# Altium PCB GSM-Board.PcbDoc
Units mm, origin at the board's own origin, x right, y up, seen from the top; angles counter-clockwise.
Board outline 40 x 40 mm, 2 copper layers (Top Layer, Bottom Layer), stack 1.571 mm thick; 21 components, 23 nets, 161 pads, 152 vias.
Unrouted connection lines stored in the file: 24.
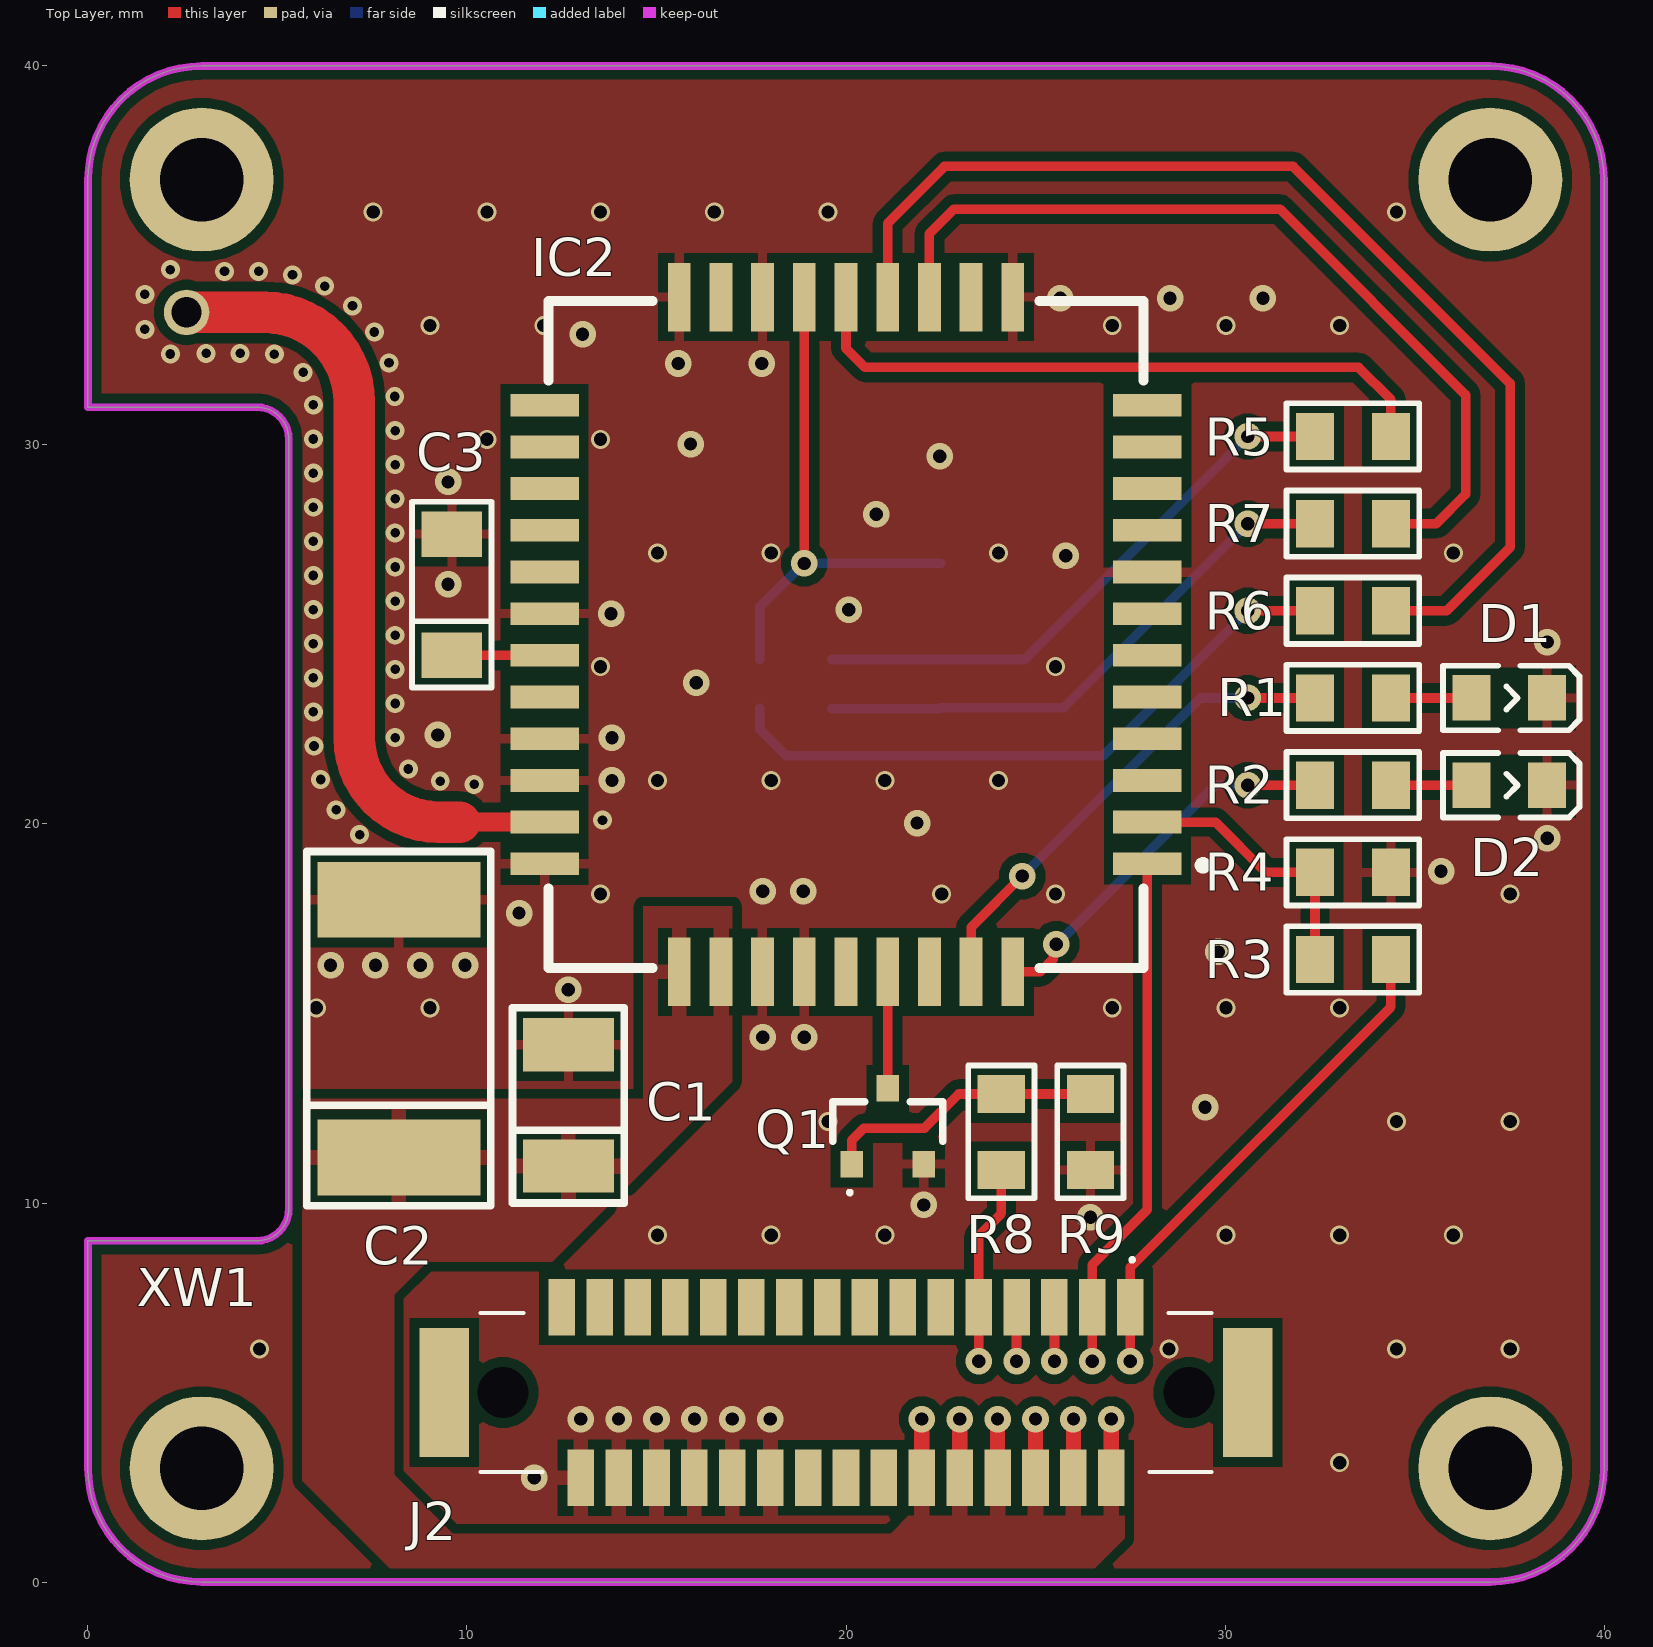
[diagram p0: Top Layer view]
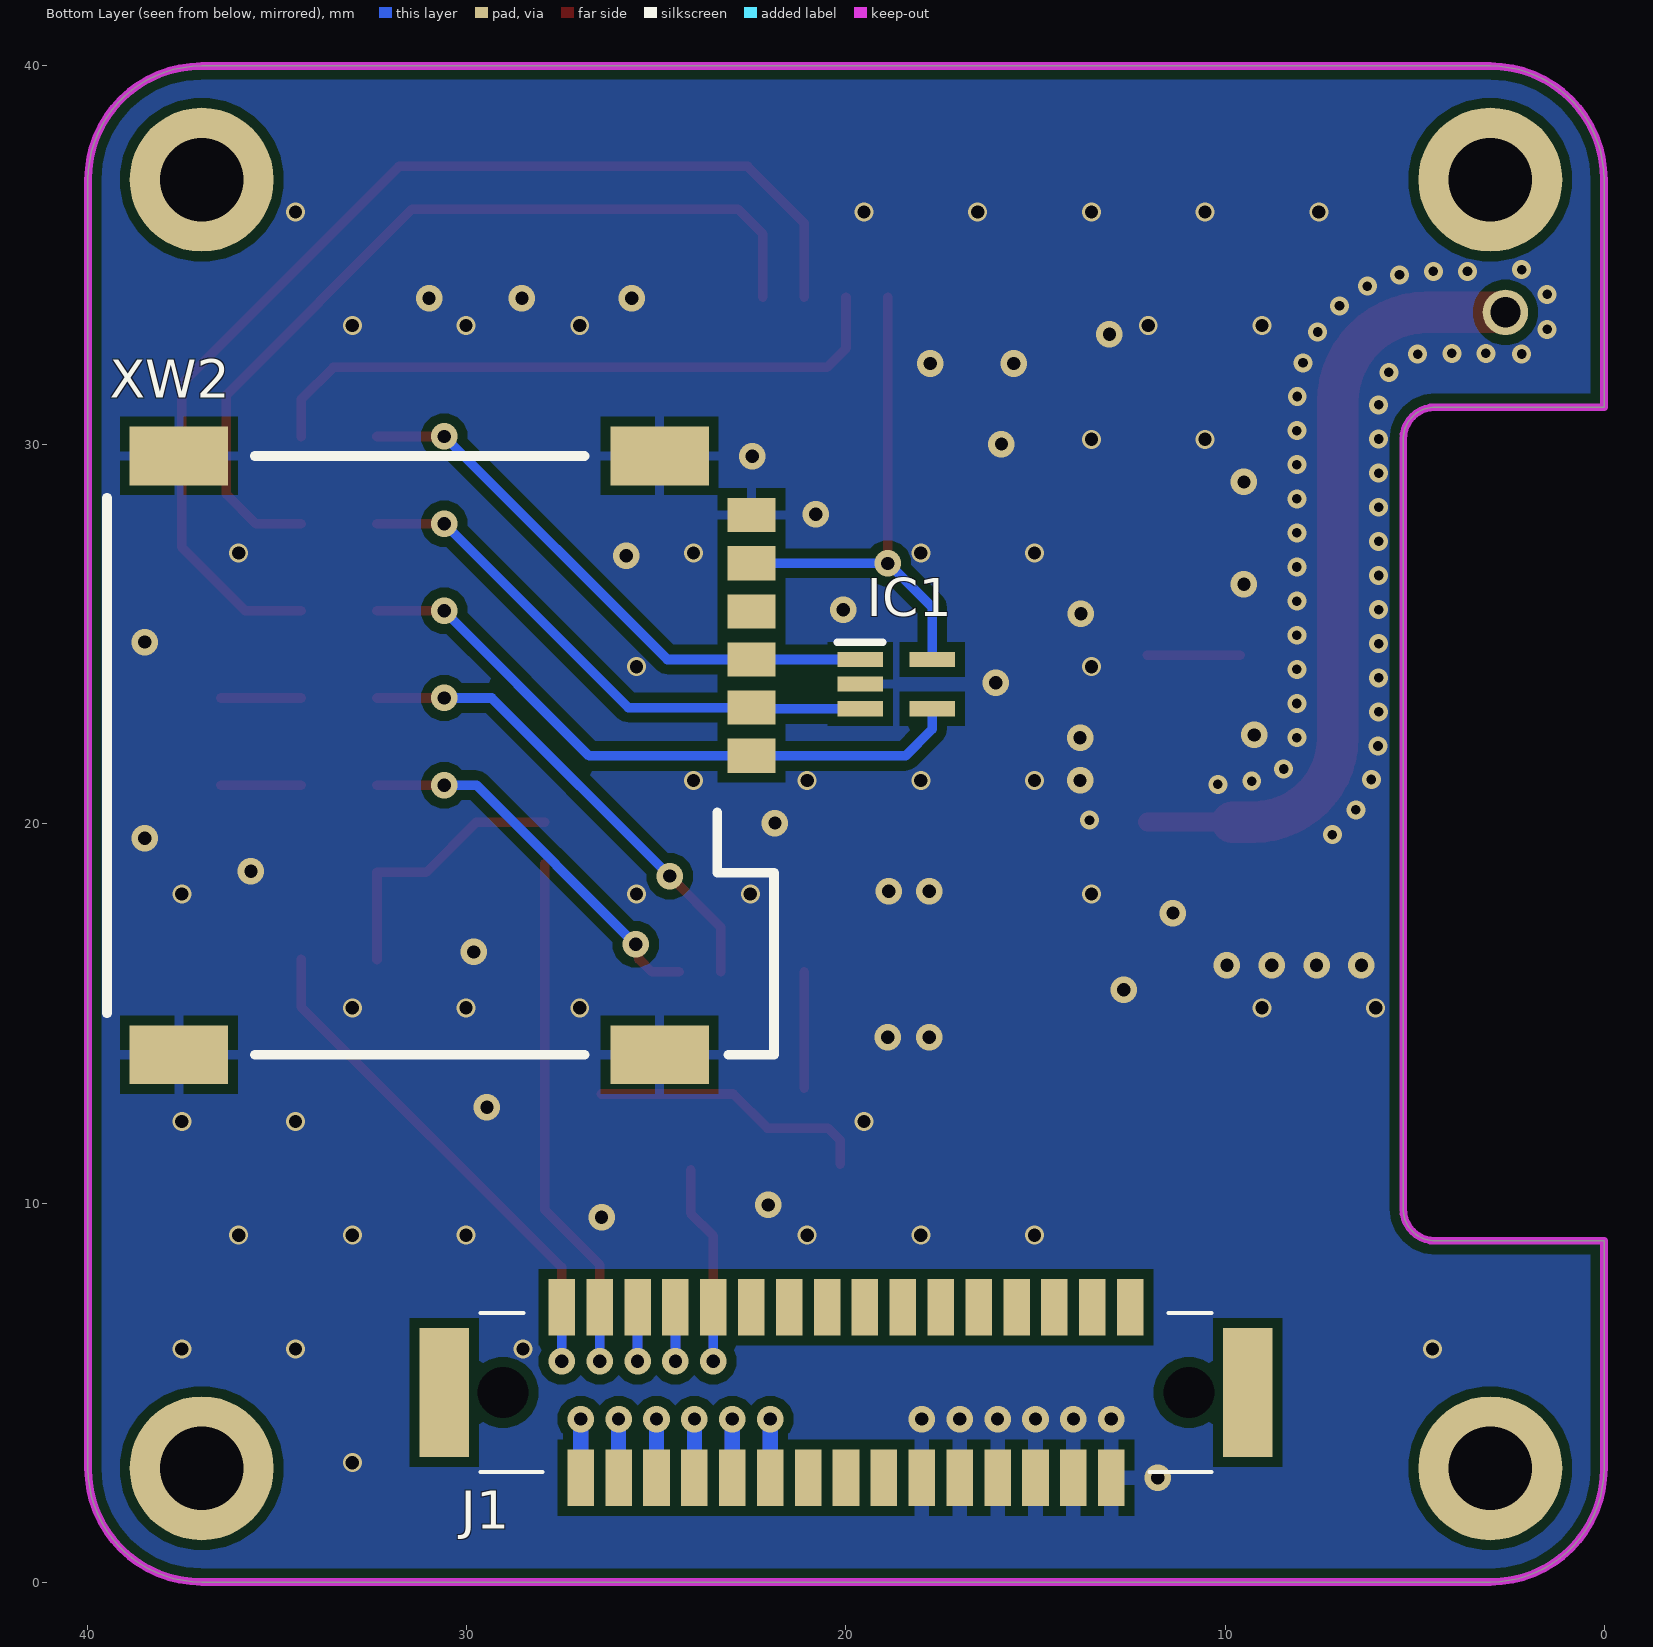
[diagram p1: Bottom Layer view, seen from below]
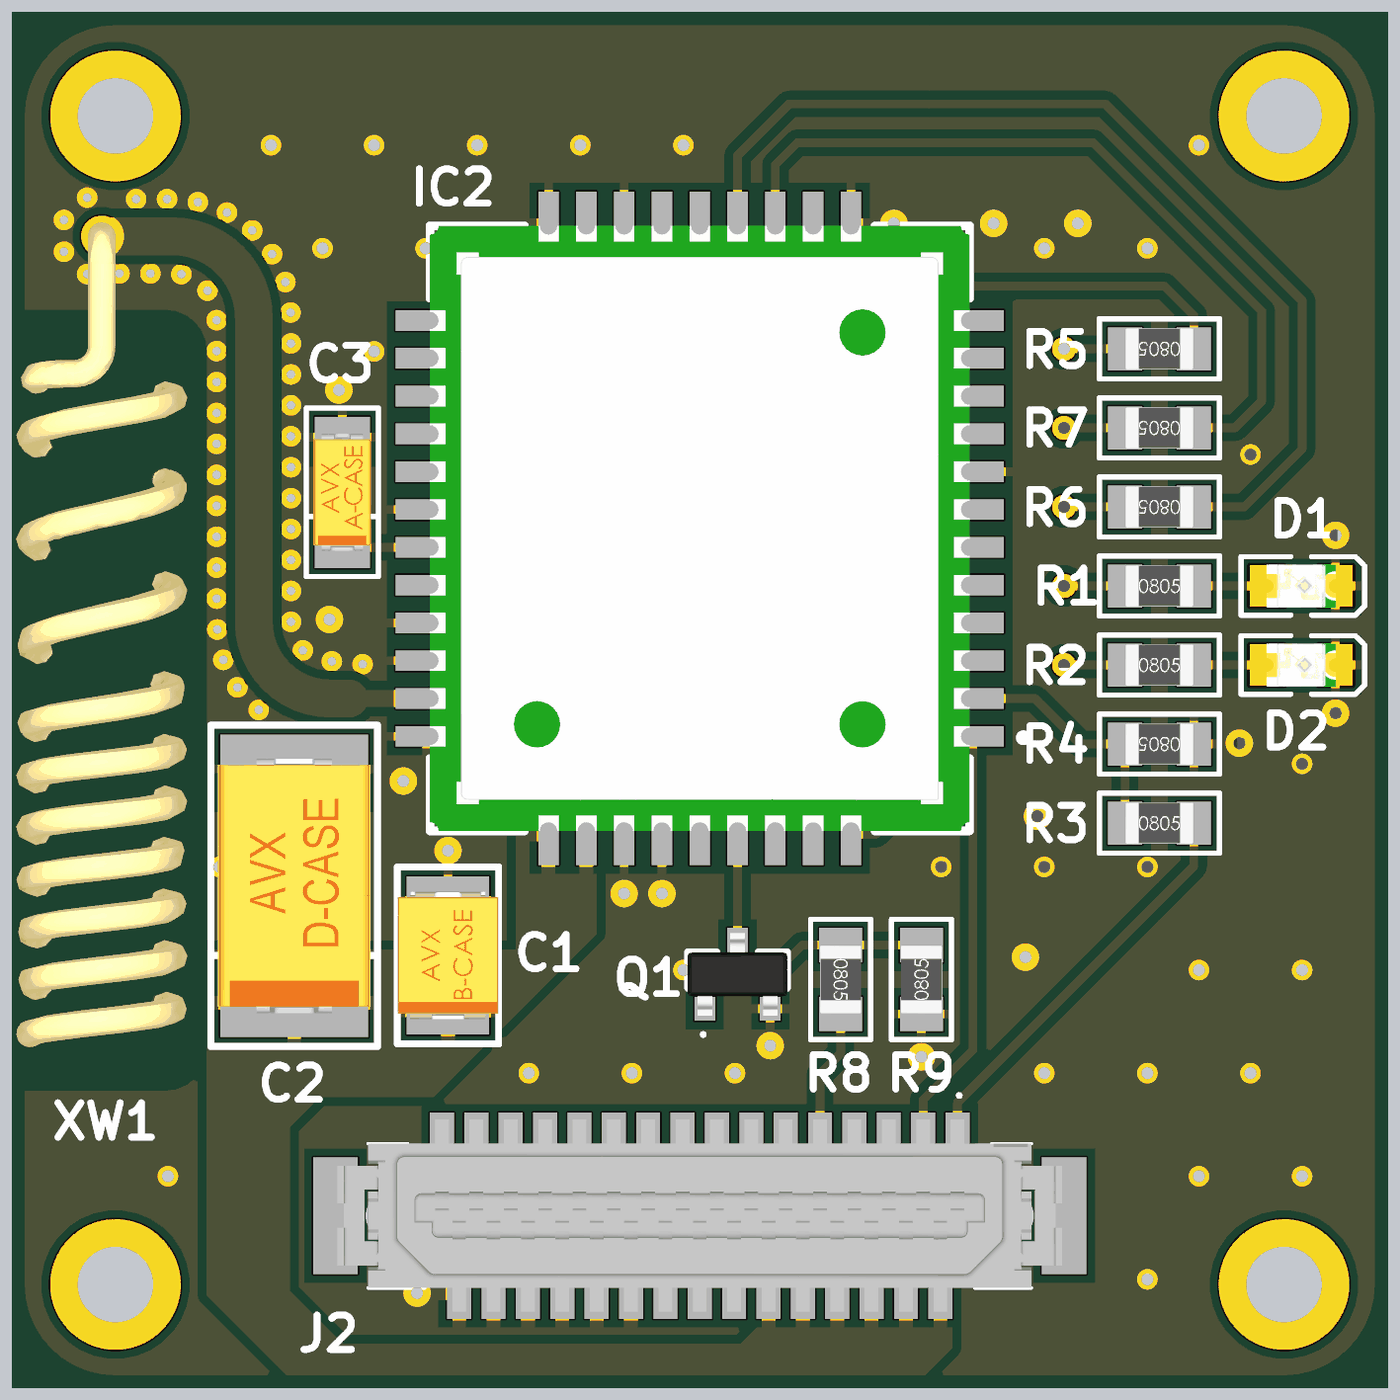
[diagram p2: 3D render of the assembled board from above, using the file's embedded part models]
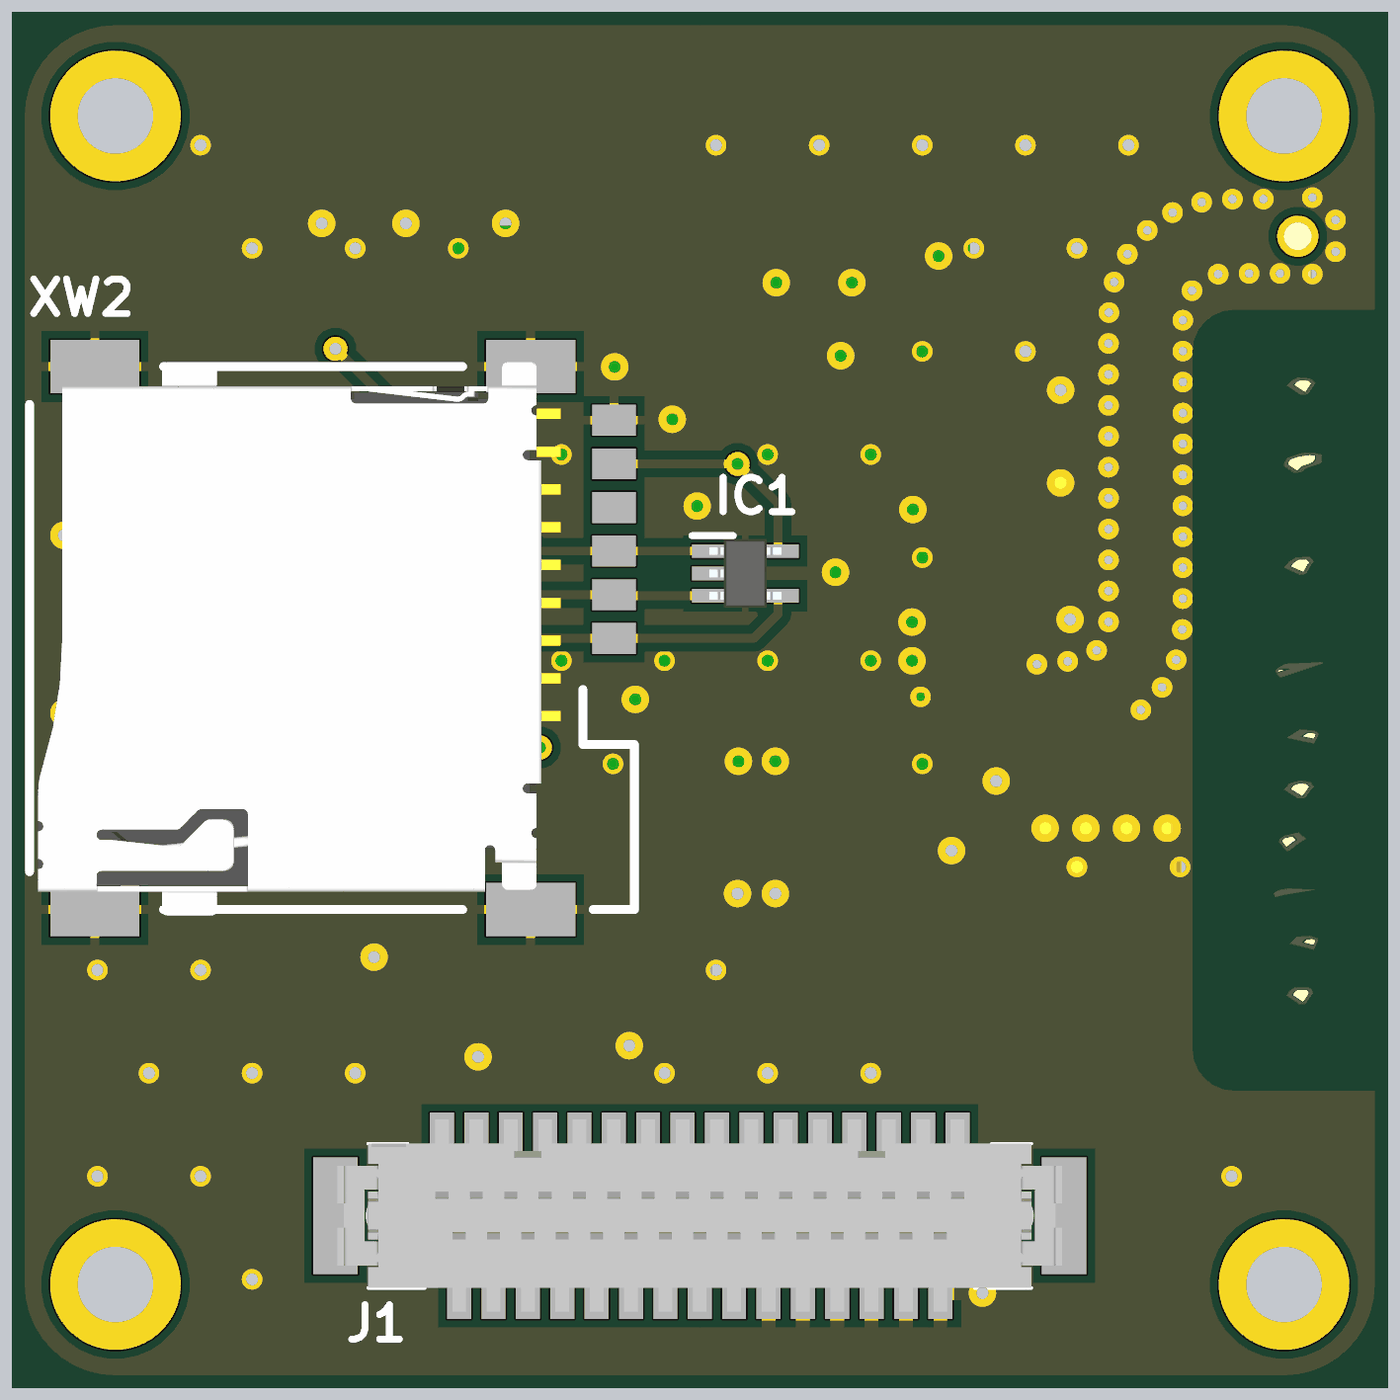
[diagram p3: 3D render of the assembled board from below, using the file's embedded part models]

## Layer stack, top to bottom
Top Solder: solder mask 0.0102, Solder Resist, Dk 3.5
Top Layer: signal copper 0.0356
Dielectric 1: dielectric 1.5, FR-4, Dk 4.8
Bottom Layer: signal copper 0.0356
Bottom Solder: solder mask 0.0102, Solder Resist, Dk 3.5

## Board outline
0,3 0,9 4.45,9 ccw(c4.45,9.85) 5.3,9.85 5.3,30.15 ccw(c4.45,30.15) 4.45,31 4.425,31 0,31 0,37 cw(c3,37) 3,40 37,40 cw(c37,37) 40,37 40,3 cw(c37,3) 37,0 3,0 cw(c3,3)

## Design rules (kind name [scope] priority, off if disabled: settings)
BoardOutlineClearance [All] p1: gap=0.2 ignorepadtopadclearanceinfootprint=FALSE
Clearance [All] p1: gap=0.254 ignorepadtopadclearanceinfootprint=FALSE except(0.127: SMDPad-SMDPad; 0.33: Arc-THPad Track-THPad; 0.5: THPad-THPad)
ComponentClearance [All] p1: gap=0 collisioncheckmode=3 verticalgap=0 showdistances=FALSE
HoleSize [All] p1: absolutevalues=TRUE maxlimit=6.3 minlimit=0.2 maxpercent=80.000 minpercent=20.000
MinimumSolderMaskSliver [All] p1: minsoldermaskwidth=0.2
PolygonConnect PolygonConnect_3 [All vs ((InNet('GND') AND InComponent('C3')) OR (InNet('GND') AND InComponent('J2')))] p1: connectstyle=Relief reliefconductorwidth=0.4 reliefentries=4 polygonreliefangle="90 Angle" airgapwidth=0.254
PolygonConnect PolygonConnect_2 [All vs InNet('GND')] p2: thpad.connectstyle=Relief thpad.reliefconductorwidth=0.254 thpad.reliefentries=4 thpad.polygonreliefangle="90 Angle" thpad.airgapwidth=0.254 smdpad.connectstyle=Relief smdpad.reliefconductorwidth=0.254 smdpad.reliefentries=4 smdpad.polygonreliefangle="90 Angle" smdpad.airgapwidth=0.254 via.connectstyle=Direct via.reliefconductorwidth=0.254 via.reliefentries=4 via.polygonreliefangle="90 Angle" via.airgapwidth=0.254
PolygonConnect [All vs InNet('VCC')] p3: connectstyle=Relief reliefconductorwidth=0.4 reliefentries=4 polygonreliefangle="90 Angle" airgapwidth=0.254
PolygonConnect PolygonConnect_1 [All] p4: connectstyle=Relief reliefconductorwidth=0.254 reliefentries=4 polygonreliefangle="90 Angle" airgapwidth=0.254
RoutingCorners [All] p1: cornerstyle=45-Degree minsetback=1.27 maxsetback=1.27
RoutingVias [All] p1: holewidth=0.35 width=0.7 viastyle="Through Hole" minholewidth=0.25 minwidth=0.5 maxholewidth=0.5 maxwidth=1
SMDEntry [All] p1: side=TRUE corner=FALSE anyangle=FALSE
SMDToCorner [All] p1: distance=0
SilkToSolderMaskClearance [IsPad] p1: minsilkscreentomaskgap=0.15 clearancetoexposedcopper=TRUE
SolderMaskExpansion [All] p1: expansion=0.05 istentingtop=FALSE
UnRoutedNet [All] p1: checkbadconnections=TRUE
Width RF [InNet('NetIC2_32')] p1: maxlimit=1.5 minlimit=0.254 preferedwidth=0.254
Width [InNet('VCC')] p2: maxlimit=0.5 minlimit=0.254 preferedwidth=0.35
Width Default [All] p3: maxlimit=0.6 minlimit=0.15 preferedwidth=0.254 minimp=50.000000 maximp=50.000000 favimp=50.000000
24 further rules are at their usual default settings.

## Components (designator, comment, footprint, x,y, rotation, side; value= is the part's Value field where it differs from the comment)
C1 "10uF" "CAP: TANTAL-B" 12.675,12.575 r90 top
C2 "100uF" "CAP: TANTAL-D" 8.2,14.6 r90 top
C3 "4.7uF" "CAP: TANTAL-A" 9.6,26.05 r90 top
D1 "=VALUE" LED0805 37.5,23.325 r0 top
D2 "=VALUE" LED0805 37.5,21.025 r0 top
IC1 "ESDALC6V1W5" SOT65P210X110-5N 18.675,23.69 r180 bottom
IC2 "SIM800C" SIM800C 20,25 r180 top locked
J1 "DF9-31S-1V_32_" DF931S1V32 20,5 r0 bottom
J2 "DF9-31P-1V_32_" DF931P1V32 20,5 r180 top
Q1 "BC817-40,215" BC81740215 21.1,12.025 r0 top
R1 "Resistor film, 1k, , 0201, 0.05W, -55...+125°C" "RES: 0805" 33.375,23.325 r0 top value=1k
R2 "Resistor film, 1k, , 0201, 0.05W, -55...+125°C" "RES: 0805" 33.375,21.025 r0 top value=1k
R3 "Resistor film, 1k, , 0201, 0.05W, -55...+125°C" "RES: 0805" 33.375,16.425 r0 top value=1k
R4 "Resistor film, 5.6k, , 0201, 0.05W, -55...+125°C" "RES: 0805" 33.375,18.725 r180 top value=5.6k
R5 "Resistor film, 100R, , 0201, 0.05W, -55...+125°C" "RES: 0805" 33.375,30.225 r180 top value=100R
R6 "Resistor film, 100R, , 0201, 0.05W, -55...+125°C" "RES: 0805" 33.375,25.625 r180 top value=100R
R7 "Resistor film, 100R, , 0201, 0.05W, -55...+125°C" "RES: 0805" 33.375,27.925 r180 top value=100R
R8 "Resistor film, 4.7k, , 0201, 0.05W, -55...+125°C" "RES: 0805" 24.1,11.875 r270 top value=4.7k
R9 "Resistor film, 47k, , 0201, 0.05W, -55...+125°C" "RES: 0805" 26.45,11.875 r90 top value=47k
XW1 "=VALUE" ANT_HOLE 2.6,33.5 r270 top
XW2 "TFP09-2-12B" SIMHOLDER 37.6,29.71 r270 bottom locked

## Footprints (in the part's own frame and the unit in brackets; to place one, negate y for a bottom-side part, rotate by r counter-clockwise, add the part's x,y. Pads: shape width x height; smd on the part's side, far side on the other; paste and mask are expansions set on the pad)
ANT_HOLE [mm]
  round 1.2 hole 0.8: 1(0,0)
  body extent -0.4,-2.49 23.59,2.49, height 3.29
BC81740215 [mm]
  rect 0.6x0.7 smd: 1(-0.95,-1) 2(0.95,-1) 3(0,1)
  silkscreen extent -1.45,-1.8 1.45,0.65, body extent -1.45,-1.2 1.45,1.2, height 0.91
"CAP: TANTAL-A" [mm]
  rect 1.2x1.6 smd: 1(-1.6,0) 2(1.6,0)
  silkscreen extent -2.45,-1.05 2.45,1.05, body extent -1.7,-0.84 1.7,0.84, height 1.71
"CAP: TANTAL-B" [mm]
  rect 1.4x2.4 smd: 1(-1.6,0) 2(1.6,0)
  silkscreen extent -2.58,-1.48 2.58,1.48, body extent -1.85,-1.46 1.85,1.47, height 2.03
"CAP: TANTAL-D" [mm]
  rect 2x4.3 smd: 1(-3.4,0) 2(3.4,0)
  silkscreen extent -4.67,-2.42 4.67,2.42, body extent -3.7,-2.22 3.7,2.23, height 3.01
DF931P1V32 [mm]
  rect 0.7x1.5 smd: 1(-7.5,-2.25) 2(-7,2.25) 3(-6.5,-2.25) 4(-6,2.25) 5(-5.5,-2.25) 6(-5,2.25) 7(-4.5,-2.25) 8(-4,2.25) 9(-3.5,-2.25) 10(-3,2.25) 11(-2.5,-2.25) 12(-2,2.25) 13(-1.5,-2.25) 14(-1,2.25) 15(-0.5,-2.25) 16(0,2.25) 17(0.5,-2.25) 18(1,2.25) 19(1.5,-2.25) 20(2,2.25) 21(2.5,-2.25) 22(3,2.25) 23(3.5,-2.25) 24(4,2.25) 25(4.5,-2.25) 26(5,2.25) 27(5.5,-2.25) 28(6,2.25) 29(6.5,-2.25) 30(7,2.25) 31(7.5,-2.25)
  round 0.675 hole 1.35 unplated: MH1(-9.05,0) MH2(9.05,0)
  rect 1.3x3.4 smd: MP1(-10.6,0) MP2(10.6,0)
  silkscreen extent -9.65,-3.55 9.65,2.1, body extent -10.55,-2.81 10.55,2.79, height 3.29
DF931S1V32 [mm]
  rect 0.7x1.5 smd: 1(-7.5,-2.25) 2(-7,2.25) 3(-6.5,-2.25) 4(-6,2.25) 5(-5.5,-2.25) 6(-5,2.25) 7(-4.5,-2.25) 8(-4,2.25) 9(-3.5,-2.25) 10(-3,2.25) 11(-2.5,-2.25) 12(-2,2.25) 13(-1.5,-2.25) 14(-1,2.25) 15(-0.5,-2.25) 16(0,2.25) 17(0.5,-2.25) 18(1,2.25) 19(1.5,-2.25) 20(2,2.25) 21(2.5,-2.25) 22(3,2.25) 23(3.5,-2.25) 24(4,2.25) 25(4.5,-2.25) 26(5,2.25) 27(5.5,-2.25) 28(6,2.25) 29(6.5,-2.25) 30(7,2.25) 31(7.5,-2.25)
  rect 1.3x3.4 smd: MP1(-10.6,0) MP2(10.6,0)
  silkscreen extent -9.65,-2.1 9.65,2.1, body extent -10.55,-2.81 10.55,2.79, height 3.3
LED0805 [mm] "LED SMD 0805, WHITE"
  rect 1x1.2 smd paste-2 mask+0.075: 1(-1,0) 2(1,0)
  Top Layer pour cut-out: -0.5,0.8 0.5,0.8 0.5,-0.8 -0.5,-0.8
  silkscreen extent -1.75,-0.85 1.85,0.85, body extent -1,-0.63 1,0.63, height 0.7
"RES: 0805" [mm]
  rect 1x1.25 smd: 1(-1,0) 2(1,0)
  silkscreen extent -1.75,-0.87 1.75,0.87, body extent -1,-0.6 1,0.6, height 0.48
SIM800C [mm]
  rect 1.8x0.6 smd: 1(-7.95,6.05) 2(-7.95,4.95) 3(-7.95,3.85) 4(-7.95,2.75) 5(-7.95,1.65) 6(-7.95,0.55) 7(-7.95,-0.55) 8(-7.95,-1.65) 9(-7.95,-2.75) 10(-7.95,-3.85) 11(-7.95,-4.95) 12(-7.95,-6.05) 22(7.95,-6.05) 23(7.95,-4.95) 24(7.95,-3.85) 25(7.95,-2.75) 26(7.95,-1.65) 27(7.95,-0.55) 28(7.95,0.55) 29(7.95,1.65) 30(7.95,2.75) 31(7.95,3.85) 32(7.95,4.95) 33(7.95,6.05)
  rect 0.6x1.8 smd: 13(-4.4,-8.9) 14(-3.3,-8.9) 15(-2.2,-8.9) 16(-1.1,-8.9) 17(0,-8.9) 18(1.1,-8.9) 19(2.2,-8.9) 20(3.3,-8.9) 21(4.4,-8.9) 34(4.4,8.9) 35(3.3,8.9) 36(2.2,8.9) 37(1.1,8.9) 38(0,8.9) 39(-1.1,8.9) 40(-2.2,8.9) 41(-3.3,8.9) 42(-4.4,8.9)
  silkscreen extent -9.51,-8.8 7.85,8.8, body extent -7.85,-8.8 7.85,8.8, height 2.3
SIMHOLDER [mm]
  rect 0.9x1.27 smd: 1(2.83,15.105) 2(5.37,15.105) 3(7.91,15.105) 5(1.56,15.105) 6(4.1,15.105) 7(6.64,15.105)
  rect 1.55x2.6 smd: MP1(0,0) MP2(15.8,0) MP3(0,12.68) MP4(15.8,12.68)
  silkscreen extent 0,-1.9 15.8,15.7, body extent -0.13,-1.65 15.97,13.55, height 1.85
SOT65P210X110-5N [mm]
  rect 1.2x0.4 smd: 1(-0.95,0.65) 2(-0.95,0) 3(-0.95,-0.65) 4(0.95,-0.65) 5(0.95,0.65)
  silkscreen extent -1.55,1.1 -0.35,1.1, body extent -1.05,-1 1.05,1, height 1.1

## Part data
C1 C2 C3: library part Capacitor_polar, "SMD Capacitor Polar"
D1 D2: library part LED, "Chip LED"
IC1: "Integrated Circuit", Manufacturer_Name=STMicroelectronics, Mouser Part Number=511-ESDALC6V1W5, Arrow Part Number=ESDALC6V1W5, Arrow Price/Stock=https://www.arrow.com/en/products/esdalc6v1w5/stmicroelectronics?region=nac, Datasheet Link=http://www.st.com/web/en/resource/technical/document/datasheet/CD00002946.pdf, Height=1.1mm, Manufacturer_Part_Number=ESDALC6V1W5, Mouser Price/Stock=https://www.mouser.co.uk/ProductDetail/STMicroelectronics/ESDALC6V1W5?qs=C%2FEejvvdwQ4xcyFnfrFaDw%3D%3D
IC2: library part -SIM800C, "Integrated Circuit", Manufacturer_Name=SIMCOM, Datasheet Link=https://datasheet.lcsc.com/szlcsc/SIMCom-Wireless-Solutions-SIM800C-24Mbit_C69119.pdf, Manufacturer_Part_Number=-SIM800C
J1: "Connector", Arrow Part Number=DF9-31S-1V(32), Manufacturer_Name=Hirose, Mouser Part Number=798-DF9-31S-1V32, Arrow Price/Stock=https://www.arrow.com/en/products/df9-31s-1v-32/hirose-electric, Datasheet Link=http://www.mouser.com/ds/2/185/DF9_catalog-939217.pdf, Height=3.3mm, Manufacturer_Part_Number=DF9-31S-1V(32), Mouser Price/Stock=https://www.mouser.co.uk/ProductDetail/Hirose-Connector/DF9-31S-1V32?qs=zOgoZG1CgI88k8P2oY2QVw%3D%3D, System=Connector
J2: "Connector", Arrow Part Number=DF9-31P-1V(32), Manufacturer_Name=Hirose, Mouser Part Number=798-DF9-31P-1V32, Arrow Price/Stock=https://www.arrow.com/en/products/df9-31p-1v-32/hirose-electric, Datasheet Link=https://datasheet.datasheetarchive.com/originals/distributors/SFDatasheet-7/sf-000141250.pdf, Height=3.5mm, Manufacturer_Part_Number=DF9-31P-1V(32), Mouser Price/Stock=https://www.mouser.co.uk/ProductDetail/Hirose-Connector/DF9-31P-1V32?qs=zOgoZG1CgI9P5hPtT7oVcw%3D%3D, System=Connector
Q1: "Transistor BJT NPN", Manufacturer_Name=Nexperia, Mouser Part Number=771-BC817-40-T/R, Arrow Part Number=BC817-40,215, Arrow Price/Stock=https://www.arrow.com/en/products/bc817-40215/nexperia?region=nac, Datasheet Link=https://assets.nexperia.com/documents/data-sheet/BC817_SER.pdf, Height=1.1mm, Manufacturer_Part_Number=BC817-40,215, Mouser Price/Stock=https://www.mouser.co.uk/ProductDetail/Nexperia/BC817-40215?qs=me8TqzrmIYU%252B245p8hOLaQ%3D%3D
R1 R2 R3 R4 R5 R6 R7 R8 R9: library part Resistor, Manufacturer=Yageo, Package=0201, PartNumber=RC0201JR-07100RL, Power=0.05W, Temperature=-55...+125°C, TypeResistor="Resistor film", HelpURL=https://www.digikey.com/product-detail/en/yageo/RC0201JR-07100RL/311-100NCT-ND/1949006
  R1 R2 R3: ValueManufacturerPartNumber="Resistor film, 1k, , 0201, 0.05W, -55...+125°C"
  R4: ValueManufacturerPartNumber="Resistor film, 5.6k, , 0201, 0.05W, -55...+125°C"
  R5 R6 R7: ValueManufacturerPartNumber="Resistor film, 100R, , 0201, 0.05W, -55...+125°C"
  R8: ValueManufacturerPartNumber="Resistor film, 4.7k, , 0201, 0.05W, -55...+125°C"
  R9: ValueManufacturerPartNumber="Resistor film, 47k, , 0201, 0.05W, -55...+125°C"
XW1: library part "Connector RF"
XW2: "Connector", Manufacturer_Name=100y, Datasheet Link=http://images.100y.com.tw/pdf_file/10-TFP09-2-12B.pdf, Height=2.45mm, Manufacturer_Part_Number=TFP09-2-12B

## Free pads (board coordinates)
  round 3.8 hole 2.2: 5(3,3) 5(3,37) 5(37,3) 5(37,37)

## Via types
v1: diameter 0.7, hole 0.35, Top Layer to Bottom Layer, 62 vias
v2: diameter 0.5, hole 0.35, Top Layer to Bottom Layer, 46 vias
v3: diameter 0.5, hole 0.254, Top Layer to Bottom Layer, 44 vias

## Nets (pads, with @x,y where several pads share a name; then routed paths per layer and width w, separated by ;. In a path a pad name is that pad's centre, name@x,y a point inside that pad or via, vN(x,y) a via of type N, cw(c..) or ccw(c..) an arc to the next point about the centre after c; other vN are vias at no path point)
GND: C1.2 C2.2 C3.2 D1.2 D2.2 IC1.2 IC2.8 IC2.13 IC2.19 IC2.21 IC2.27 IC2.30 IC2.31 IC2.33 IC2.36 IC2.37 J1.2 J1.4 J1.6 J1.8 J1.10 J1.12 J2.20 J2.22 J2.24 J2.26 J2.28 J2.30 Q1.2 R4.1 R9.1 XW2.5 XW2.MP1 XW2.MP2 XW2.MP3 XW2.MP4
  other v1: 11.775,2.75 13,4.3 14,4.3 15,4.3 16,4.3 17,4.3 18,4.3 26.45,9.625 22.05,9.95 29.475,12.525 17.8,14.375 18.9,14.375 12.675,15.625 6.4,16.275 7.583,16.275 8.767,16.275 9.95,16.275 29.825,16.625 11.375,17.65 17.8,18.225 18.875,18.225 35.7,18.75 38.5,19.625 21.875,20.025 13.825,21.15 13.825,22.275 9.225,22.35 16.05,23.725 38.5,24.8 13.8,25.55 20.075,25.65 9.5,26.325 25.8,27.075 20.8,28.175 9.5,29.025 22.475,29.7 15.9,30.025 15.575,32.15 17.775,32.15 13.05,32.925 25.65,33.875 28.55,33.875 31,33.875
  other v2: 33.025,3.15 4.525,6.15 28.525,6.15 34.525,6.15 37.525,6.15 15.025,9.15 18.025,9.15 21.025,9.15 30.025,9.15 33.025,9.15 36.025,9.15 19.525,12.15 34.525,12.15 37.525,12.15 6.025,15.15 9.025,15.15 27.025,15.15 30.025,15.15 33.025,15.15 13.525,18.15 22.525,18.15 25.525,18.15 37.525,18.15 15.025,21.15 18.025,21.15 21.025,21.15 24.025,21.15 13.525,24.15 25.525,24.15 15.025,27.15 18.025,27.15 24.025,27.15 36.025,27.15 10.525,30.15 13.525,30.15 9.025,33.15 12.025,33.15 27.025,33.15 30.025,33.15 33.025,33.15 7.525,36.15 10.525,36.15 13.525,36.15 16.525,36.15 19.525,36.15 34.525,36.15
  other v3: 7.166,19.72 13.575,20.1 6.549,20.375 10.19,21.047 9.294,21.131 6.138,21.175 8.453,21.45 5.962,22.058 8.106,22.281 5.944,22.958 8.106,23.181 5.944,23.858 8.106,24.081 5.944,24.758 8.106,24.981 5.944,25.658 8.106,25.881 5.944,26.558 8.106,26.781 5.944,27.458 8.106,27.681 5.944,28.358 8.106,28.581 5.944,29.258 8.106,29.481 5.944,30.158 8.106,30.381 5.944,31.058 8.094,31.28 5.677,31.917 7.943,32.168 4.916,32.397 2.175,32.4 3.116,32.419 4.016,32.419 7.557,32.981 1.5,33.05 6.98,33.671 1.5,33.975 6.244,34.189 5.396,34.491 3.601,34.581 4.501,34.581 2.175,34.625
NetC3_1: C3.1 IC2.28 | length 2.5
  Top Layer w0.254: C3.1 IC2.28
NetD1_1: D1.1 R1.2 | length 2.1
  Top Layer w0.254: R1.2 36,23.325 D1.1
NetD2_1: D2.1 R2.2 | length 2.1
  Top Layer w0.254: R2.2 36,21.025 D2.1
NetIC1_1: IC1.1 R5.2 XW2.2 | length 15.2
  Top Layer w0.254: v1(30.6,30.225) R5.2
  Bottom Layer w0.254: IC1.1@19.625,24.35 IC1.1 XW2.2 ; XW2.2@22.5,24.34 24.715,24.34 v1(30.6,30.225)
NetIC1_3: IC1.3 R7.2 XW2.7 | length 14.8
  Top Layer w0.254: v1(30.6,27.925) 31.875,27.925 R7.2
  Bottom Layer w0.254: IC1.3 22.465,23.04 XW2.7 ; XW2.7@22.5,23.07 25.745,23.07 v1(30.6,27.925)
NetIC1_4: IC1.4 R6.2 XW2.3 | length 17.1
  Top Layer w0.254: v1(30.6,25.625) R6.2
  Bottom Layer w0.254: IC1.4@17.725,23.05 17.725,22.5 18.425,21.8 22.5,21.8 26.775,21.8 v1(30.6,25.625)
NetIC2_2: IC2.2 R3.1 R4.2 | length 7.3
  Top Layer w0.254: IC2.2 29.75,20.05 31.075,18.725 R4.2 R3.1
NetIC2_32: IC2.32 XW1.1 | length 20.9
  Top Layer w0.5: 9.8,20.05 IC2.32
  Top Layer w1.1: XW1.1 4.66,33.5 cw(c4.66,31.135) 7.025,31.135 7.025,22.272 ccw(c9.247,22.272) 9.247,20.05 9.8,20.05
NetIC2_41: IC2.41 R1.1 | length 12.8
  Top Layer w0.254: IC2.41 23.3,17.275 v1(24.65,18.625) ; v1(30.6,23.325) 31.875,23.325 R1.1
  Bottom Layer w0.254: v1(24.65,18.625) 29.35,23.325 v1(30.6,23.325)
NetIC2_42: IC2.42 R2.1 | length 10.2
  Top Layer w0.254: IC2.42 25.125,16.1 25.465,16.44 25.465,16.74 v1(25.55,16.825) ; v1(30.6,21.025) 31.875,21.025 R2.1
  Bottom Layer w0.254: v1(25.55,16.825) 29.75,21.025 v1(30.6,21.025)
NetQ1_1: Q1.1 R8.1 R9.2 | length 7.4
  Top Layer w0.254: Q1.1 20.15,11.65 20.475,11.975 22.075,11.975 22.975,12.875 R8.1 R9.2
PWRKEY: IC2.39 Q1.3 | length 3.1
  Top Layer w0.254: Q1.3 IC2.39
PWRKEY_MCU: J1.23 J2.9 R8.2 | length 6.7
  Top Layer w0.254: v1(23.5,5.825) J2.9 23.5,9.125 24.1,9.725 R8.2
  Bottom Layer w0.254: v1(23.5,5.825) J1.23
SIM_CLK: IC2.16 R6.1 | length 29.5
  Top Layer w0.254: IC2.16 21.1,35.85 22.6,37.35 31.8,37.35 37.525,31.625 37.525,27.3 35.85,25.625 R6.1
SIM_DATA: IC2.15 R7.1 | length 23
  Top Layer w0.254: IC2.15 22.2,35.576 22.849,36.225 31.45,36.225 36.35,31.325 36.35,28.7 35.575,27.925 R7.1
SIM_RST: IC2.17 R5.1 | length 17.3
  Top Layer w0.254: IC2.17 20,32.55 20.5,32.05 33.525,32.05 34.375,31.2 R5.1
SIM_VDD: IC1.5 IC2.18 XW2.1 | length 13.6
  Top Layer w0.254: v1(18.9,26.875) IC2.18
  Bottom Layer w0.254: IC1.5@17.725,24.35 17.725,25.725 18.875,26.875 v1(18.9,26.875) ; v1@18.905,26.88 XW2.1@22.5,26.88
UART1_RX: J1.25 J2.7 | length 2.9
  Top Layer w0.254: v1(24.5,5.825) J2.7
  Bottom Layer w0.254: v1(24.5,5.825) J1.25
UART1_TX: J1.27 J2.5 | length 2.9
  Top Layer w0.254: v1(25.5,5.825) J2.5
  Bottom Layer w0.254: v1(25.5,5.825) J1.27
UART6_RX: IC2.1 J1.29 J2.3 | length 15.2
  Top Layer w0.254: v1(26.5,5.825) 26.5,8.375 27.95,9.825 IC2.1
  Bottom Layer w0.254: v1(26.5,5.825) J1.29
UART6_TX: J1.31 J2.1 R3.2 | length 14.9
  Top Layer w0.254: v1(27.5,5.825) 27.5,8.3 34.375,15.175 R3.2
  Bottom Layer w0.254: v1(27.5,5.825) J1.31
VCC: C1.1 C2.1 IC2.34 IC2.35 J1.20 J1.22 J1.24 J1.26 J1.28 J1.30 J2.2 J2.4 J2.6 J2.8 J2.10 J2.12 | length 18.6
  Top Layer w0.4: J2.12 v1(22,4.3) ; J2.10 v1(23,4.3) ; J2.8 v1(24,4.3) ; v1@24.975,4.3 25,4.275 J2.6 ; J2.4 v1(26,4.3) ; J2.2 v1(27,4.3)
  Bottom Layer w0.4: J1.20 v1(22,4.3) ; J1.22 v1(23,4.3) ; J1.24 v1(24,4.3) ; v1@24.975,4.3 25,4.275 J1.26 ; J1.28 v1(26,4.3) ; J1.30 v1(27,4.3)
  other v1: 25,4.3
pads on no net: IC2.3 IC2.4 IC2.5 IC2.6 IC2.7 IC2.9 IC2.10 IC2.11 IC2.12 IC2.14 IC2.20 IC2.22 IC2.23 IC2.24 IC2.25 IC2.26 IC2.29 IC2.38 IC2.40 J1.1 J1.3 J1.5 J1.7 J1.9 J1.11 J1.13 J1.14 J1.15 J1.16 J1.17 J1.18 J1.19 J1.21 J1.MP1 J1.MP2 J2.11 J2.13 J2.14 J2.15 J2.16 J2.17 J2.18 J2.19 J2.21 J2.23 J2.25 J2.27 J2.29 J2.31 J2.MH1 J2.MH2 J2.MP1 J2.MP2 XW2.6

## Polygon pours and split planes (outlines as drawn)
GND on Top Layer "NONET_L-01_P-001" (solid, pour order 1): 0,3 0,9 4.45,9 ccw(c4.45,9.85) 5.3,9.85 5.3,30.15 ccw(c4.45,30.15) 4.45,31 4.425,31 0,31 0,37 cw(c3,37) 3,40 37,40 cw(c37,37) 40,37 40,3 cw(c37,3) 37,0 3,0 cw(c3,3)
VCC on Top Layer "NONET_L-01_P-001" (solid, pour order 0): 17,17.825 14.65,17.825 14.65,12.75 5.65,12.75 5.65,2.675 8.175,0.15 26.35,0.15 27.35,1.15 27.35,3.5 21.65,3.5 21.65,1.75 21.175,1.275 9.625,1.275 8.075,2.825 8.075,7.575 8.95,8.45 12.25,8.45 17,13.2
GND on Bottom Layer "NONET_L-01_P-001" (solid, pour order 2): 0,3 0,9 4.45,9 ccw(c4.45,9.85) 5.3,9.85 5.3,30.15 ccw(c4.45,30.15) 4.45,31 4.425,31 0,31 0,37 cw(c3,37) 3,40 37,40 cw(c37,37) 40,37 40,3 cw(c37,3) 37,0 3,0 cw(c3,3)

## Keep-outs
Keep-Out Layer:
  lines w0.2: 4.425,31 0,31 0,37 cw(c3,37) 3,40 37,40 cw(c37,37) 40,37 40,3 cw(c37,3) 37,0 3,0 cw(c3,3) 0,3 0,3.8 0,9 4.45,9 ccw(c4.45,9.85) 5.3,9.85 5.3,26.9 5.3,30.125 ; 4.45,31 cw(c4.45,30.15) 5.3,30.15